# Altium PCB CRD25DA12N-FMC V2 (09-2024).PcbDoc (part 1 of 6) (continued)
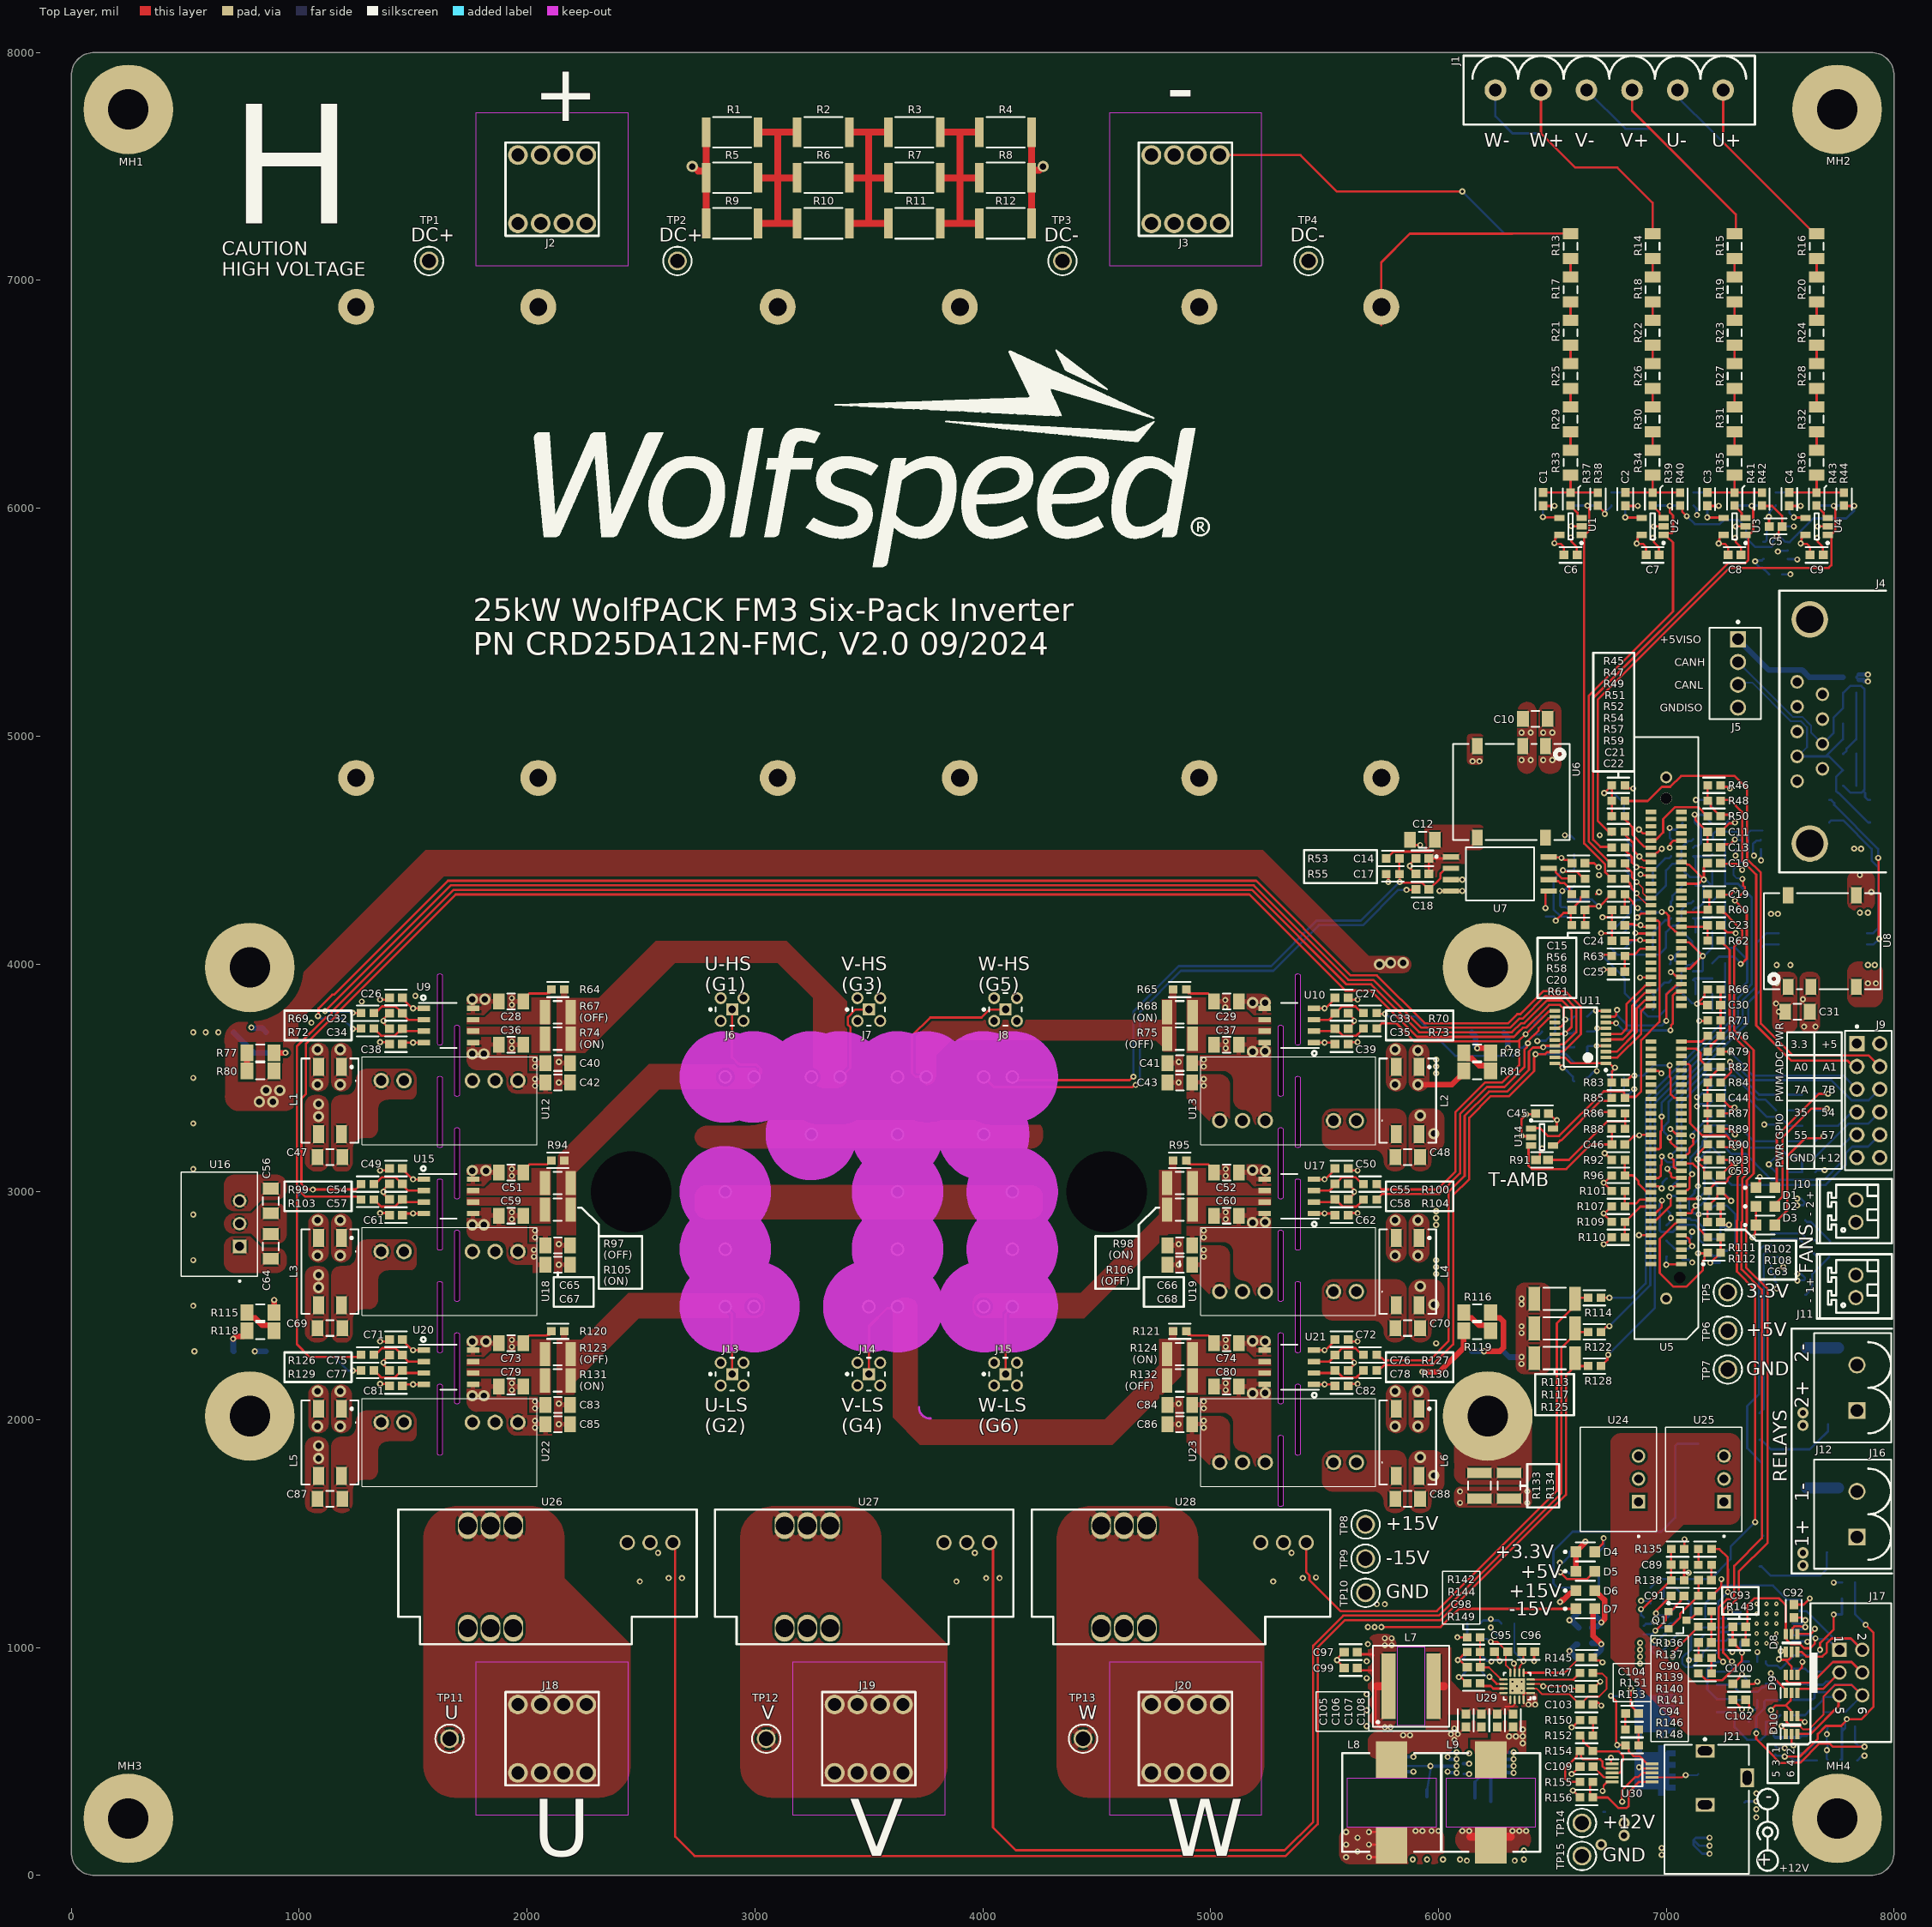
[diagram p0: Top Layer view]
## Components (designator, comment, footprint, x,y, rotation, side; value= is the part's Value field where it differs from the comment)
C1 "C0603C472K3RAC7867" FP-C0603C-CF-IPC_B 6460,6040 r270 top value=4.7nF
C2 "CL10B103KA8WPNC" FP-C0603C-CF-IPC_B 6820,6040 r270 top value=10nF
C3 "CL10B103KA8WPNC" FP-C0603C-CF-IPC_B 7180,6040 r270 top value=10nF
C4 "CL10B103KA8WPNC" FP-C0603C-CF-IPC_B 7540,6040 r270 top value=10nF
C5 "C0603C104K3RACTU" FP-C0603C-CF-IPC_B 7480,5920 r180 top value=0.10μF
C6 "C0603C104K3RACTU" FP-C0603C-CF-IPC_B 6580,5795 r0 top value=0.10μF
C7 "C0603C104K3RACTU" FP-C0603C-CF-IPC_B 6940,5795 r0 top value=0.10μF
C8 "C0603C104K3RACTU" FP-C0603C-CF-IPC_B 7300,5795 r0 top value=0.10μF
C9 "C0603C104K3RACTU" FP-C0603C-CF-IPC_B 7660,5795 r0 top value=0.10μF
C10 "CL31B106KAHSFNE" FP-CL31-IPC_B 6425,5075 r0 top value=10μF
C11 "C0603C104K3RACTU" FP-C0603C-CF-IPC_B 7210,4580 r180 top value=0.10μF
C12 "CL31B106KAHSFNE" FP-CL31-IPC_B 5930,4545 r180 top value=10μF
C13 "C0603C104K3RACTU" FP-C0603C-CF-IPC_B 7210,4511 r180 top value=0.10μF
C14 "GRT188R61H225ME13D" FP-C0603C-CF-IPC_B 5930,4463 r180 top value=2.2μF
C15 "C0603C104K3RACTU" FP-C0603C-CF-IPC_B 6615,4442 r0 top value=0.10μF
C16 "C0603C104K3RACTU" FP-C0603C-CF-IPC_B 7210,4442 r180 top value=0.10μF
C17 "C0603C104K3RACTU" FP-C0603C-CF-IPC_B 5930,4395 r180 top value=0.10μF
C18 "C0603C104K3RACTU" FP-C0603C-CF-IPC_B 5930,4327 r180 top value=0.10μF
C19 "C0603C102K5RACAUTO" FP-C0603C-CF-IPC_B 7210,4306 r0 top value=1nF
C20 "C0603C331JAGAC7867" FP-C0603C-CF-IPC_B 6615,4238 r180 top value=330pF
C21 "C0603C472K3RAC7867" FP-C0603C-CF-IPC_B 6790,4238 r180 top value=4.7nF
C22 "C0603C472K3RAC7867" FP-C0603C-CF-IPC_B 6790,4170 r180 top value=4.7nF
C23 "C0603C102K5RACAUTO" FP-C0603C-CF-IPC_B 7210,4170 r0 top value=1nF
C24 "C0603C472K3RAC7867" FP-C0603C-CF-IPC_B 6790,4102 r180 top value=4.7nF
C25 "C0603C472K3RAC7867" FP-C0603C-CF-IPC_B 6790,3966 r180 top value=4.7nF
C26 "GRT188R61H225ME13D" FP-C0603C-CF-IPC_B 1425,3852 r180 top value=2.2μF
C27 "GRT188R61H225ME13D" FP-C0603C-CF-IPC_B 5575,3852 r180 top value=2.2μF
C28 "CL31B106KAHSFNE" FP-CL31-IPC_B 1930,3835 r180 top value=10μF
C29 "CL31B106KAHSFNE" FP-CL31-IPC_B 5070,3835 r180 top value=10μF
C30 "CL10C560JB8NNNC" FP-C0603C-CF-IPC_B 7210,3820 r180 top value=56pF
C31 "CL31B106KAHSFNE" FP-CL31-IPC_B 7575.81,3790 r180 top value=10μF
C32 "CL10C560JB8NNNC" FP-C0603C-CF-IPC_B 1425,3784 r180 top value=56pF
C33 "CL10C560JB8NNNC" FP-C0603C-CF-IPC_B 5575,3784 r0 top value=56pF
C34 "CL10C560JB8NNNC" FP-C0603C-CF-IPC_B 1425,3716 r180 top value=56pF
C35 "CL10C560JB8NNNC" FP-C0603C-CF-IPC_B 5575,3716 r0 top value=56pF
C36 "CL31B106KAHSFNE" FP-CL31-IPC_B 1930,3645 r0 top value=10μF
C37 "CL31B106KAHSFNE" FP-CL31-IPC_B 5070,3645 r0 top value=10μF
C38 "GRT188R61H225ME13D" FP-C0603C-CF-IPC_B 1425,3648 r0 top value=2.2μF
C39 "GRT188R61H225ME13D" FP-C0603C-CF-IPC_B 5575,3648 r0 top value=2.2μF
C40 "CL31B106KAHSFNE" FP-CL31-IPC_B 2135,3565 r180 top value=10μF
C41 "CL31B106KAHSFNE" FP-CL31-IPC_B 4865,3565 r0 top value=10μF
C42 "CL31B106KAHSFNE" FP-CL31-IPC_B 2135,3480 r0 top value=10μF
C43 "CL31B106KAHSFNE" FP-CL31-IPC_B 4865,3480 r180 top value=10μF
C44 "CL10C560JB8NNNC" FP-C0603C-CF-IPC_B 7210,3412 r0 top value=56pF
C45 "C0603C104K3RACTU" FP-C0603C-CF-IPC_B 6455,3344 r0 top value=0.10μF
C46 "C0603C104K3RACTU" FP-C0603C-CF-IPC_B 6790,3208 r0 top value=0.10μF
C47 "CL31B106KAHSFNE" FP-CL31-IPC_B 1135,3152 r180 top value=10μF
C48 "CL31B106KAHSFNE" FP-CL31-IPC_B 5865,3152 r180 top value=10μF
C49 "GRT188R61H225ME13D" FP-C0603C-CF-IPC_B 1425,3102 r180 top value=2.2μF
C50 "GRT188R61H225ME13D" FP-C0603C-CF-IPC_B 5575,3102 r180 top value=2.2μF
C51 "CL31B106KAHSFNE" FP-CL31-IPC_B 1930,3085 r180 top value=10μF
C52 "CL31B106KAHSFNE" FP-CL31-IPC_B 5070,3085 r180 top value=10μF
C53 "CL10C560JB8NNNC" FP-C0603C-CF-IPC_B 7210,3072 r0 top value=56pF
C54 "CL10C560JB8NNNC" FP-C0603C-CF-IPC_B 1425,3034 r180 top value=56pF
C55 "CL10C560JB8NNNC" FP-C0603C-CF-IPC_B 5575,3034 r0 top value=56pF
C56 "CL31B106KAHSFNE" FP-CL31-IPC_B 875,2960 r270 top value=10μF
C57 "CL10C560JB8NNNC" FP-C0603C-CF-IPC_B 1425,2966 r180 top value=56pF
C58 "CL10C560JB8NNNC" FP-C0603C-CF-IPC_B 5575,2966 r0 top value=56pF
C59 "CL31B106KAHSFNE" FP-CL31-IPC_B 1930,2895 r0 top value=10μF
C60 "CL31B106KAHSFNE" FP-CL31-IPC_B 5070,2895 r0 top value=10μF
C61 "GRT188R61H225ME13D" FP-C0603C-CF-IPC_B 1425,2898 r0 top value=2.2μF
C62 "GRT188R61H225ME13D" FP-C0603C-CF-IPC_B 5575,2898 r0 top value=2.2μF
C63 "CL10C560JB8NNNC" FP-C0603C-CF-IPC_B 7210,2868 r0 top value=56pF
C64 "CL31B106KAHSFNE" FP-CL31-IPC_B 875,2760 r90 top value=10μF
C65 "CL31B106KAHSFNE" FP-CL31-IPC_B 2135,2765 r180 top value=10μF
C66 "CL31B106KAHSFNE" FP-CL31-IPC_B 4865,2765 r0 top value=10μF
C67 "CL31B106KAHSFNE" FP-CL31-IPC_B 2135,2680 r0 top value=10μF
C68 "CL31B106KAHSFNE" FP-CL31-IPC_B 4865,2680 r180 top value=10μF
C69 "CL31B106KAHSFNE" FP-CL31-IPC_B 1135,2402 r180 top value=10μF
C70 "CL31B106KAHSFNE" FP-CL31-IPC_B 5865,2402 r180 top value=10μF
C71 "GRT188R61H225ME13D" FP-C0603C-CF-IPC_B 1425,2352 r180 top value=2.2μF
C72 "GRT188R61H225ME13D" FP-C0603C-CF-IPC_B 5575,2352 r180 top value=2.2μF
C73 "CL31B106KAHSFNE" FP-CL31-IPC_B 1930,2335 r180 top value=10μF
C74 "CL31B106KAHSFNE" FP-CL31-IPC_B 5070,2335 r180 top value=10μF
C75 "CL10C560JB8NNNC" FP-C0603C-CF-IPC_B 1425,2284 r180 top value=56pF
C76 "CL10C560JB8NNNC" FP-C0603C-CF-IPC_B 5575,2284 r0 top value=56pF
C77 "CL10C560JB8NNNC" FP-C0603C-CF-IPC_B 1425,2216 r180 top value=56pF
C78 "CL10C560JB8NNNC" FP-C0603C-CF-IPC_B 5575,2216 r0 top value=56pF
C79 "CL31B106KAHSFNE" FP-CL31-IPC_B 1930,2145 r0 top value=10μF
C80 "CL31B106KAHSFNE" FP-CL31-IPC_B 5070,2145 r0 top value=10μF
C81 "GRT188R61H225ME13D" FP-C0603C-CF-IPC_B 1425,2148 r0 top value=2.2μF
C82 "GRT188R61H225ME13D" FP-C0603C-CF-IPC_B 5575,2148 r0 top value=2.2μF
C83 "CL31B106KAHSFNE" FP-CL31-IPC_B 2135,2065 r180 top value=10μF
C84 "CL31B106KAHSFNE" FP-CL31-IPC_B 4865,2065 r0 top value=10μF
C85 "CL31B106KAHSFNE" FP-CL31-IPC_B 2135,1980 r0 top value=10μF
C86 "CL31B106KAHSFNE" FP-CL31-IPC_B 4865,1980 r180 top value=10μF
C87 "CL31B106KAHSFNE" FP-CL31-IPC_B 1135,1652 r180 top value=10μF
C88 "CL31B106KAHSFNE" FP-CL31-IPC_B 5865,1652 r180 top value=10μF
C89 "C0603C104K3RACTU" FP-C0603C-CF-IPC_B 7050,1363 r0 top value=0.10μF
C90 "CL10B103KA8WPNC" FP-C0603C-CF-IPC_B 7170,1295 r180 top value=10nF
C91 "C0603C102K5RACAUTO" FP-C0603C-CF-IPC_B 7050,1227 r180 top value=1nF
C92 "C0603C104K3RACTU" FP-C0603C-CF-IPC_B 7560,1160 r90 top value=0.10μF
C93 "06035A180JAT2A" FP-C0603C-CF-IPC_B 7320,1091 r0 top value=18pF
C94 "CL10B103KA8WPNC" FP-C0603C-CF-IPC_B 7170,1022 r0 top value=10nF
C95 "GCM1885C2A221JA16D" FP-C0603C-CF-IPC_B 6275,981 r180 top value=220pF
C96 "CL10C101JB8NNNC" FP-C0603C-CF-IPC_B 6395,981 r0 top value=100pF
C97 "GCM188R72A103KA37D" FP-C0603C-CF-IPC_B 5615,980 r180 top value=10nF
C98 "CGA3E2X7R1H683K080AA" FP-C0603C-CF-IPC_B 6155,913 r0 top value=68nF
C99 "C0603C102K5RACAUTO" FP-C0603C-CF-IPC_B 5615,910 r180 top value=1nF
C100 "C0603C104K3RACTU" FP-C0603C-CF-IPC_B 7320,840 r0 top value=0.10μF
C101 "GCM188R72A103KA37D" FP-C0603C-CF-IPC_B 6650,819 r0 top value=10nF
C102 "C0603C104K3RACTU" FP-C0603C-CF-IPC_B 7320,771 r0 top value=0.10μF
C103 "CGA3E1X7R1V105K080AC" FP-C0603C-CF-IPC_B 6650,750 r0 top value=1μF
C104 "C0603C472K3RAC7867" FP-C0603C-CF-IPC_B 6850,710 r0 top value=4.7nF
C105 "GRM188R6YA106MA73D" FP-C0603C-CF-IPC_B 6120,680 r270 top value=10μF
C106 "GRM188R6YA106MA73D" FP-C0603C-CF-IPC_B 6189,680 r270 top value=10μF
C107 "GRM188R6YA106MA73D" FP-C0603C-CF-IPC_B 6258,680 r270 top value=10μF
C108 "GRM188R6YA106MA73D" FP-C0603C-CF-IPC_B 6327,680 r270 top value=10μF
C109 "CL10C560JB8NNNC" FP-C0603C-CF-IPC_B 6650,478 r180 top value=56pF
C110 "C4AQQEW5650A3BJ" C4AQQEW5650A3BJ 3500,5850 r90 bottom value=65µF
C111 "C4AQQEW5650A3BJ" C4AQQEW5650A3BJ 5350,5850 r270 bottom value=65µF
C112 "C4AQQEW5650A3BJ" C4AQQEW5650A3BJ 1650,5850 r270 bottom value=65µF
C113 "CL10B103KA8WPNC" FP-C0603C-CF-IPC_B 7660,6040 r270 bottom value=10nF
C114 "CL10B103KA8WPNC" FP-C0603C-CF-IPC_B 7300,6040 r270 bottom value=10nF
C115 "CL10B103KA8WPNC" FP-C0603C-CF-IPC_B 6940,6040 r270 bottom value=10nF
C116 "C0603C472K3RAC7867" FP-C0603C-CF-IPC_B 6580,6040 r270 bottom value=4.7nF
C117 "C0603C104K3RACTU" FP-C0603C-CF-IPC_B 7480,5920 r0 bottom value=0.10μF
C118 "C0603C104K3RACTU" FP-C0603C-CF-IPC_B 7480,5710 r0 bottom value=0.10μF
C119 "C0603C472K3RAC7867" FP-C0603C-CF-IPC_B 7805,4918 r0 bottom value=4.7nF
C120 "06035A180JAT2A" FP-C0603C-CF-IPC_B 7805,4850 r180 bottom value=18pF
C121 "06035A180JAT2A" FP-C0603C-CF-IPC_B 7805,4782 r0 bottom value=18pF
C122 "CL10C560JB8NNNC" FP-C0603C-CF-IPC_B 7230,4616 r180 bottom value=56pF
C123 "C0603C104K3RACTU" FP-C0603C-CF-IPC_B 7100,4616 r0 bottom value=0.10μF
C124 "CL10C560JB8NNNC" FP-C0603C-CF-IPC_B 6785,4615 r180 bottom value=56pF
C125 "GCM188R71C274KA37D" FP-GCM188-0_1-IPC_A 6785,4548 r180 bottom value=0.27μF
C126 "GRT188R61H225ME13D" FP-C0603C-CF-IPC_B 6625,4548 r0 bottom value=2.2μF
C127 "GCM188R71C274KA37D" FP-GCM188-0_1-IPC_A 6785,4480 r180 bottom value=0.27μF
C128 "CL31B106KAHSFNE" FP-CL31-IPC_B 7850,4395 r90 bottom value=10μF
C129 "GCM188R71C274KA37D" FP-GCM188-0_1-IPC_A 6785,4411 r180 bottom value=0.27μF
C130 "C0603C472K3RAC7867" FP-C0603C-CF-IPC_B 7230,4411 r180 bottom value=4.7nF
C131 "CL10C101JB8NNNC" FP-C0603C-CF-IPC_B 7100,4411 r180 bottom value=100pF
C132 "CL10C101JB8NNNC" FP-C0603C-CF-IPC_B 6970,4411 r0 bottom value=100pF
C133 "C0603C331JAGAC7867" FP-C0603C-CF-IPC_B 6625,4411 r180 bottom value=330pF
C134 "GCM188R71C274KA37D" FP-GCM188-0_1-IPC_A 6785,4343 r180 bottom value=0.27μF
C135 "C0603C104K3RACTU" FP-C0603C-CF-IPC_B 7100,4343 r0 bottom value=0.10μF
C136 "C0603C104K3RACTU" FP-C0603C-CF-IPC_B 6625,4343 r0 bottom value=0.10μF
C137 "C0603C472K3RAC7867" FP-C0603C-CF-IPC_B 7230,4139 r180 bottom value=4.7nF
C138 "CL10C101JB8NNNC" FP-C0603C-CF-IPC_B 7100,4139 r180 bottom value=100pF
C139 "CL10C101JB8NNNC" FP-C0603C-CF-IPC_B 6970,4139 r0 bottom value=100pF
C140 "C0603C104K3RACTU" FP-C0603C-CF-IPC_B 7100,4070 r0 bottom value=0.10μF
C141 "C0603C104K3RACTU" FP-C0603C-CF-IPC_B 7885,3868 r0 bottom value=0.10μF
C142 "C0603C104K3RACTU" FP-C0603C-CF-IPC_B 7535,3868 r180 bottom value=0.10μF
C143 "C0603C472K3RAC7867" FP-C0603C-CF-IPC_B 7230,3868 r180 bottom value=4.7nF
C144 "CL10C101JB8NNNC" FP-C0603C-CF-IPC_B 7100,3868 r180 bottom value=100pF
C145 "CL10C101JB8NNNC" FP-C0603C-CF-IPC_B 6970,3868 r0 bottom value=100pF
C146 "CL10C560JB8NNNC" FP-C0603C-CF-IPC_B 6785,3500 r0 bottom value=56pF
C147 "GRT188R61H225ME13D" FP-C0603C-CF-IPC_B 6625,3500 r0 bottom value=2.2μF
C148 "CL10C560JB8NNNC" FP-C0603C-CF-IPC_B 7231.42,3465 r180 bottom value=56pF
C149 "CL10C560JB8NNNC" FP-C0603C-CF-IPC_B 7510,3154 r180 bottom value=56pF
C150 "C0603C104K3RACTU" FP-C0603C-CF-IPC_B 7030,3058 r180 bottom value=0.10μF
C151 "C0603C104K3RACTU" FP-C0603C-CF-IPC_B 7030,2785 r0 bottom value=0.10μF
C152 "C0603C104K3RACTU" FP-C0603C-CF-IPC_B 7030,2716 r0 bottom value=0.10μF
C153 "GRT188R61H225ME13D" FP-C0603C-CF-IPC_B 7490,2625 r0 bottom value=2.2μF
C154 "CL31B106KAHSFNE" FP-CL31-IPC_B 7140,1840 r270 bottom value=10μF
C155 "CL31B106KAHSFNE" FP-CL31-IPC_B 6765,1840 r270 bottom value=10μF
C156 "CL31B106KAHSFNE" FP-CL31-IPC_B 7140,1640 r90 bottom value=10μF
C157 "CL31B106KAHSFNE" FP-CL31-IPC_B 6765,1640 r90 bottom value=10μF
C158 "CL31B475KBHNFNE" FP-CL31-IPC_C 5380,1360 r0 bottom value=4.7μF
C159 "CL31B475KBHNFNE" FP-CL31-IPC_C 3990,1360 r0 bottom value=4.7μF
C160 "CL31B475KBHNFNE" FP-CL31-IPC_C 2600,1360 r0 bottom value=4.7μF
C161 "C0603C104K3RACTU" FP-C0603C-CF-IPC_B 7800,1285 r180 bottom value=0.10μF
C162 "CL31B475KBHNFNE" FP-CL31-IPC_C 5380,1250 r180 bottom value=4.7μF
C163 "CL31B475KBHNFNE" FP-CL31-IPC_C 3990,1250 r180 bottom value=4.7μF
C164 "CL31B475KBHNFNE" FP-CL31-IPC_C 2600,1250 r180 bottom value=4.7μF
C165 "C0603C331JAGAC7867" FP-C0603C-CF-IPC_B 7800,1215 r180 bottom value=330pF
C166 "C0603C472K3RAC7867" FP-C0603C-CF-IPC_B 6960,1194 r180 bottom value=4.7nF
C167 "06035A180JAT2A" FP-C0603C-CF-IPC_B 7200,1126 r180 bottom value=18pF
C168 "CGA3E2X7R1H473K080AA" FP-C0603C-CF-IPC_B 6155,1038 r180 bottom value=47nF
C169 "C0603C104K3RACTU" FP-C0603C-CF-IPC_B 7200,990 r0 bottom value=0.10μF
C170 "C0603C104K3RACTU" FP-C0603C-CF-IPC_B 6960,990 r0 bottom value=0.10μF
C171 "GCM188R71E224KA55D" FP-C0603C-CF-IPC_B 6155,900 r180 bottom value=220nF
C172 "CGA3E2X7R1H104K080AA" FP-C0603C-CF-IPC_B 5755,900 r180 bottom value=100nF
C173 "C0603C470J1GACTU" FP-C0603C-CF-IPC_B 7620,865 r90 bottom value=47pF
C174 "C0603C331JAGAC7867" FP-C0603C-CF-IPC_B 7290,865 r90 bottom value=330pF
C175 "GRM188R6YA106MA73D" FP-C0603C-CF-IPC_B 5755,830 r180 bottom value=10μF
C176 "C0603C470J1GACTU" FP-C0603C-CF-IPC_B 7620,745 r90 bottom value=47pF
C177 "C0603C331JAGAC7867" FP-C0603C-CF-IPC_B 7290,745 r90 bottom value=330pF
C178 "GRM188R6YA106MA73D" FP-C0603C-CF-IPC_B 5755,760 r180 bottom value=10μF
C179 "GRM188R6YA106MA73D" FP-C0603C-CF-IPC_B 5755,690 r180 bottom value=10μF
C180 "C0603C104K3RACTU" FP-C0603C-CF-IPC_B 7680,652 r0 bottom value=0.10μF
C181 "C0603C331JAGAC7867" FP-C0603C-CF-IPC_B 7800,583 r0 bottom value=330pF
C182 "C0603C104K3RACTU" FP-C0603C-CF-IPC_B 7680,583 r0 bottom value=0.10μF
C183 "C0603C104K3RACTU" FP-C0603C-CF-IPC_B 7800,513 r0 bottom value=0.10μF
C184 "C0603C104K3RACTU" FP-C0603C-CF-IPC_B 7680,513 r0 bottom value=0.10μF
C185 "C0603C681J5GACTU" FP-C0603C-CF-IPC_B 6405,300 r90 bottom value=680pF
C186 "GRM188R6YA106MA73D" FP-C0603C-CF-IPC_B 6335,300 r270 bottom value=10μF
C187 "GRM188R6YA106MA73D" FP-C0603C-CF-IPC_B 6265,300 r270 bottom value=10μF
C188 "CGA3E1X7R1V105K080AC" FP-C0603C-CF-IPC_B 6195,300 r270 bottom value=1μF
C189 "CGA3E2X7R1H104K080AA" FP-C0603C-CF-IPC_B 6125,300 r270 bottom value=100nF
C190 "CGA3E2X7R1H104K080AA" FP-C0603C-CF-IPC_B 6055,300 r90 bottom value=100nF
C191 "CGA3E1X7R1V105K080AC" FP-C0603C-CF-IPC_B 5985,300 r90 bottom value=1μF
C192 "GRM188R6YA106MA73D" FP-C0603C-CF-IPC_B 5915,300 r90 bottom value=10μF
C193 "GRM188R6YA106MA73D" FP-C0603C-CF-IPC_B 5845,300 r90 bottom value=10μF
C194 "C0603C681J5GACTU" FP-C0603C-CF-IPC_B 5775,300 r90 bottom value=680pF
C195 "GRM188R6YA106MA73D" FP-C0603C-CF-IPC_B 6335,130 r90 bottom value=10μF
C196 "GRM188R6YA106MA73D" FP-C0603C-CF-IPC_B 6265,130 r90 bottom value=10μF
C197 "GRM188R6YA106MA73D" FP-C0603C-CF-IPC_B 6195,130 r90 bottom value=10μF
C198 "GRM188R6YA106MA73D" FP-C0603C-CF-IPC_B 6125,130 r90 bottom value=10μF
C199 "GRM188R6YA106MA73D" FP-C0603C-CF-IPC_B 6055,130 r270 bottom value=10μF
C200 "GRM188R6YA106MA73D" FP-C0603C-CF-IPC_B 5985,130 r270 bottom value=10μF
C201 "GRM188R6YA106MA73D" FP-C0603C-CF-IPC_B 5915,130 r270 bottom value=10μF
C202 "GRM188R6YA106MA73D" FP-C0603C-CF-IPC_B 5845,130 r270 bottom value=10μF
C203 "CL31B106KAHSFNE" FP-CL31-IPC_B 6850,105 r0 bottom value=10μF
D1 "CMD17-21VRD/TR8" FP-LTST-C171GKT-MFG-RED 7435,3018 r0 top value=RED
D2 "LTST-C171KSKT" FP-LTST-C171GKT-MFG-YELLOW 7435,2936 r0 top value=YELLOW
D3 "LTST-C171GKT" FP-LTST-C171GKT-MFG 7435,2854 r0 top value=GREEN
D4 "LTST-C171GKT" FP-LTST-C171GKT-MFG 6645,1420 r0 top value=GREEN
D5 "LTST-C171GKT" FP-LTST-C171GKT-MFG 6645,1335 r0 top value=GREEN
D6 "LTST-C171GKT" FP-LTST-C171GKT-MFG 6645,1250 r0 top value=GREEN
D7 "LTST-C171GKT" FP-LTST-C171GKT-MFG 6645,1170 r0 top value=GREEN
D8 "BAS40DW-04-TP" SOT65P222X120-6N 7550,1020 r90 top value=N/A
D9 "BAS40DW-04-TP" SOT65P222X120-6N 7550,840 r90 top value=N/A
D10 "BAS40DW-04-TP" SOT65P222X120-6N 7550,660 r90 top value=N/A
D11 "APTR3216-VFX" FP-APTR3216SECK-MFG 6216.53,3700 r180 bottom value=PURPLE
D12 "APTR3216-VFX" FP-APTR3216SECK-MFG 783.47,3700 r180 bottom value=PURPLE
D13 "SMD26PL-TP" ONSC-SOD-123FL-2-498-01_V 7750,2915 r270 bottom value=N/A
D14 "SMD26PL-TP" ONSC-SOD-123FL-2-498-01_V 7750,2585 r270 bottom value=N/A
D15 "APTR3216-VFX" FP-APTR3216SECK-MFG 6216.53,2300 r180 bottom value=PURPLE
D16 "APTR3216-VFX" FP-APTR3216SECK-MFG 783.47,2300 r180 bottom value=PURPLE
D17 "SMD26PL-TP" ONSC-SOD-123FL-2-498-01_V 7865,1940 r0 bottom value=N/A
D18 "SMD26PL-TP" ONSC-SOD-123FL-2-498-01_V 7865,1385 r0 bottom value=N/A
D19 "PMEG060V100EPE-QZ" FP-PSMC_TO-277A-MFG 6215,505 r0 bottom value=N/A
D20 "PMEG060V100EPE-QZ" FP-PSMC_TO-277A-MFG 5965,505 r0 bottom value=N/A
HS1 "LA6/150 12V" "LA 6 150 12" 3500,3000 r180 bottom locked value=N/A
J1 "1755778" 1755778 6750,7835 r180 top value=N/A
J2 "7460307" 7460307 2110,7400 r0 top value=N/A
J3 "7460307" 7460307 4890,7400 r0 top value=N/A
J4 "L717SDE09PA4CH4RC309" L717SDE09PA4CH4RC309 7630,5020 r90 top locked value=N/A
J5 "640456-4" TECO-640456-4 7315,5275 r90 top value=N/A
J6 "0734151471" FP-73415-1471-MFG 2900,3800 r0 top value=N/A
J7 "0734151471" FP-73415-1471-MFG 3500,3800 r0 top value=N/A
J8 "0734151471" FP-73415-1471-MFG 4100,3800 r0 top value=N/A
J9 "61301221121" FP-61301221121-MFG 7887,3400 r270 top value=N/A
J10 "1881558" CONN_1881558 7832,2915 r90 top value=N/A
J11 "1881558" CONN_1881558 7832,2585 r90 top value=N/A
J12 "1755736" 1755736 7837,2140 r90 top value=N/A
J13 "0734151471" FP-73415-1471-MFG 2900,2200 r0 top value=N/A
J14 "0734151471" FP-73415-1471-MFG 3500,2200 r0 top value=N/A
J15 "0734151471" FP-73415-1471-MFG 4100,2200 r0 top value=N/A
J16 "1755736" 1755736 7837,1585 r90 top value=N/A
J17 "61200621621" 61200621621 7810,890 r270 top value=N/A
J18 "7460307" 7460307 2110,600 r0 top value=N/A
J19 "7460307" 7460307 3500,600 r0 top value=N/A
J20 "7460307" 7460307 4890,600 r0 top value=N/A
J21 "PJ-102AH" CUI-PJ-102B_V 7170,428.11 r270 top value=N/A
J22 "1808190" 1808190 7295,155 r180 bottom value=N/A
L1 "744226S" WE-SL2 1135,3400 r270 top value=10μH
L2 "744226S" WE-SL2 5865,3400 r270 top value=10μH
L3 "744226S" WE-SL2 1135,2650 r270 top value=10μH
L4 "744226S" WE-SL2 5865,2650 r270 top value=10μH
L5 "744226S" WE-SL2 1135,1900 r270 top value=10μH
L6 "744226S" WE-SL2 5865,1900 r270 top value=10μH
L7 "74439358100" WE-XHMI_8080_L8.8W8.3H7.8 5880,830 r90 top value=10μH
L8 "74437368220" 74437368220 5795,320 r270 top value=22µH
L9 "74437368220" 74437368220 6230,320 r90 top value=22µH
L10 "DLW43SH101XK2L" FP-DLW43-0_2-t2_6-e0_6-MFG 7805,4670 r0 bottom value=100µH
MH1 "MH_M4_P" MH_M4_P 250,7750 r0 top locked value=N/A
MH2 "MH_M4_P" MH_M4_P 7750,7750 r0 top locked value=N/A
MH3 "MH_M4_P" MH_M4_P 250,250 r0 top locked value=N/A
MH4 "MH_M4_P" MH_M4_P 7750,250 r0 top locked value=N/A
Q1 "BC817-16LT3G" ONSC-SOT-23-3-318-08_V 7050,1120 r0 top value=N/A
Q2 "CCB021M12FM3T" FM3_SIX-PACK_3PHASE_CRW 3500,3000 r0 bottom locked value=N/A
Q3 "DMN6140L-13" FP-SOT23-MFG 7650,2915 r0 bottom value=N/A
Q4 "DMN6140L-13" FP-SOT23-MFG 7650,2585 r0 bottom value=N/A
Q5 "MJD44H11T4G" ONSC-DPAK-3-369C-01_V 7615,2145 r90 bottom value=N/A
Q6 "MJD44H11T4G" ONSC-DPAK-3-369C-01_V 7615,1590 r90 bottom value=N/A
Q7 "DMT12H007LPS-13" FP-PowerDI5060-8-MFG 6910,710 r90 bottom value=N/A
Q8 "DMT12H007LPS-13" FP-PowerDI5060-8-MFG 6910,460 r90 bottom value=N/A
R1 "CRGP2512F220K" FP-CRGP2512-IPC_C 2900,7650 r180 top value=220kΩ
R2 "CRGP2512F220K" FP-CRGP2512-IPC_C 3300,7650 r180 top value=220kΩ
R3 "CRGP2512F220K" FP-CRGP2512-IPC_C 3700,7650 r180 top value=220kΩ
R4 "CRGP2512F220K" FP-CRGP2512-IPC_C 4100,7650 r180 top value=220kΩ
R5 "CRGP2512F220K" FP-CRGP2512-IPC_C 2900,7450 r180 top value=220kΩ
R6 "CRGP2512F220K" FP-CRGP2512-IPC_C 3300,7450 r180 top value=220kΩ
R7 "CRGP2512F220K" FP-CRGP2512-IPC_C 3700,7450 r180 top value=220kΩ
R8 "CRGP2512F220K" FP-CRGP2512-IPC_C 4100,7450 r180 top value=220kΩ
R9 "CRGP2512F220K" FP-CRGP2512-IPC_C 2900,7250 r180 top value=220kΩ
R10 "CRGP2512F220K" FP-CRGP2512-IPC_C 3300,7250 r180 top value=220kΩ
R11 "CRGP2512F220K" FP-CRGP2512-IPC_C 3700,7250 r180 top value=220kΩ
R12 "CRGP2512F220K" FP-CRGP2512-IPC_C 4100,7250 r180 top value=220kΩ
R13 "TNPW1206249KBEEA" RESC3216X65X50NL15T25 6580,7150 r270 top value=249kΩ
R14 "TNPW1206249KBEEA" RESC3216X65X50NL15T25 6940,7150 r270 top value=249kΩ
R15 "TNPW1206249KBEEA" RESC3216X65X50NL15T25 7300,7150 r270 top value=249kΩ
R16 "TNPW1206249KBEEA" RESC3216X65X50NL15T25 7660,7150 r270 top value=249kΩ
R17 "TNPW1206249KBEEA" RESC3216X65X50NL15T25 6580,6960 r270 top value=249kΩ
R18 "TNPW1206249KBEEA" RESC3216X65X50NL15T25 6940,6960 r270 top value=249kΩ
R19 "TNPW1206249KBEEA" RESC3216X65X50NL15T25 7300,6960 r270 top value=249kΩ
R20 "TNPW1206249KBEEA" RESC3216X65X50NL15T25 7660,6960 r270 top value=249kΩ
R21 "TNPW1206249KBEEA" RESC3216X65X50NL15T25 6580,6770 r270 top value=249kΩ
R22 "TNPW1206249KBEEA" RESC3216X65X50NL15T25 6940,6770 r270 top value=249kΩ
R23 "TNPW1206249KBEEA" RESC3216X65X50NL15T25 7300,6770 r270 top value=249kΩ
R24 "TNPW1206249KBEEA" RESC3216X65X50NL15T25 7660,6770 r270 top value=249kΩ
R25 "TNPW1206249KBEEA" RESC3216X65X50NL15T25 6580,6580 r270 top value=249kΩ
R26 "TNPW1206249KBEEA" RESC3216X65X50NL15T25 6940,6580 r270 top value=249kΩ
R27 "TNPW1206249KBEEA" RESC3216X65X50NL15T25 7300,6580 r270 top value=249kΩ
R28 "TNPW1206249KBEEA" RESC3216X65X50NL15T25 7660,6580 r270 top value=249kΩ
R29 "TNPW1206249KBEEA" RESC3216X65X50NL15T25 6580,6390 r270 top value=249kΩ
R30 "TNPW1206249KBEEA" RESC3216X65X50NL15T25 6940,6390 r270 top value=249kΩ
R31 "TNPW1206249KBEEA" RESC3216X65X50NL15T25 7300,6390 r270 top value=249kΩ
R32 "TNPW1206249KBEEA" RESC3216X65X50NL15T25 7660,6390 r270 top value=249kΩ
R33 "TNPW1206249KBEEA" RESC3216X65X50NL15T25 6580,6200 r270 top value=249kΩ
R34 "TNPW1206249KBEEA" RESC3216X65X50NL15T25 6940,6200 r270 top value=249kΩ
R35 "TNPW1206249KBEEA" RESC3216X65X50NL15T25 7300,6200 r270 top value=249kΩ
R36 "TNPW1206249KBEEA" RESC3216X65X50NL15T25 7660,6200 r270 top value=249kΩ
R37 "RC0603FR-074K99L" FP-MCR03-IPC_B 6580,6040 r270 top value=4.99kΩ
R38 "ERJ-PB3B3741V" FP-MCR03-IPC_B 6700,6040 r90 top value=3.74kΩ
R39 "RC0603FR-074K99L" FP-MCR03-IPC_B 6940,6040 r270 top value=4.99kΩ
R40 "CRCW06034K70FKTA" FP-MCR03-IPC_B 7060,6040 r270 top value=4.7kΩ
R41 "RC0603FR-074K99L" FP-MCR03-IPC_B 7300,6040 r270 top value=4.99kΩ
R42 "CRCW06034K70FKTA" FP-MCR03-IPC_B 7420,6040 r270 top value=4.7kΩ
R43 "RC0603FR-074K99L" FP-MCR03-IPC_B 7660,6040 r270 top value=4.99kΩ
R44 "CRCW06034K70FKTA" FP-MCR03-IPC_B 7780,6040 r270 top value=4.7kΩ
R45 "ERJ3EKF1002V" FP-MCR03-IPC_B 6790,4784 r0 top value=10kΩ
R46 "ERJ3EKF1002V" FP-MCR03-IPC_B 7210,4784 r180 top value=10kΩ
R47 "CRCW06030000Z0EB" FP-MCR03-IPC_B 6790,4716 r180 top value=0Ω
R48 "CRCW06030000Z0EB" FP-MCR03-IPC_B 7210,4716 r180 top value=0Ω
R49 "CRCW06030000Z0EB" FP-MCR03-IPC_B 6790,4648 r0 top value=0Ω
R50 "CRCW06030000Z0EB" FP-MCR03-IPC_B 7210,4648 r180 top value=0Ω
R51 "ERJ-3EKF49R9V" FP-MCR03-IPC_B 6790,4580 r0 top value=49.9Ω
R52 "ERJ-3EKF49R9V" FP-MCR03-IPC_B 6790,4511 r0 top value=49.9Ω
R53 "RC0603FR-072K2L" FP-MCR03-IPC_B 5800,4463 r180 top value=2.2kΩ
R54 "ERJ-3EKF49R9V" FP-MCR03-IPC_B 6790,4442 r0 top value=49.9Ω
R55 "ERJ-PB3B1801V" FP-MCR03-IPC_B 5800,4395 r0 top value=1.8kΩ
R56 "ERA3AEB4021V" FP-MCR03-IPC_B 6615,4374 r180 top value=4.02kΩ
R57 "ERJ-3EKF49R9V" FP-MCR03-IPC_B 6790,4374 r0 top value=49.9Ω
R58 "ERA3AEB4021V" FP-MCR03-IPC_B 6615,4306 r180 top value=4.02kΩ
R59 "ERJ-3EKF49R9V" FP-MCR03-IPC_B 6790,4306 r0 top value=49.9Ω
R60 "RT0603DRE072KL" FP-MCR03-IPC_B 7210,4238 r180 top value=2kΩ
R61 "ERA3AEB4021V" FP-MCR03-IPC_B 6615,4170 r180 top value=4.02kΩ
R62 "RT0603DRE072KL" FP-MCR03-IPC_B 7210,4102 r180 top value=2kΩ
R63 "ERJ-3EKF49R9V" FP-MCR03-IPC_B 6790,4034 r0 top value=49.9Ω
R64 "ERJ3EKF1002V" FP-MCR03-IPC_B 2135,3888 r0 top value=10kΩ
R65 "ERJ3EKF1002V" FP-MCR03-IPC_B 4865,3888 r180 top value=10kΩ
R66 "ERJ3EKF1002V" FP-MCR03-IPC_B 7210,3888 r0 top value=10kΩ
R67 "CRCW12100000Z0EAHP" RESC3125X70X40NL20T20 2135,3788 r0 top value=0Ω
R68 "RCWE1210R910FKEA" RESC3125X70X40NL20T20 4865,3788 r180 top value=0.91Ω
R69 "ERJ-3EKF49R9V" FP-MCR03-IPC_B 1300,3784 r0 top value=49.9Ω
R70 "ERJ-3EKF49R9V" FP-MCR03-IPC_B 5700,3784 r180 top value=49.9Ω
R71 "ERJ3EKF1002V" FP-MCR03-IPC_B 7210,3752 r180 top value=10kΩ
R72 "ERJ-3EKF49R9V" FP-MCR03-IPC_B 1300,3716 r0 top value=49.9Ω
R73 "ERJ-3EKF49R9V" FP-MCR03-IPC_B 5700,3716 r180 top value=49.9Ω
R74 "RCWE1210R910FKEA" RESC3125X70X40NL20T20 2135,3672 r0 top value=0.91Ω
R75 "CRCW12100000Z0EAHP" RESC3125X70X40NL20T20 4865,3672 r180 top value=0Ω
R76 "CRCW06030000Z0EB" FP-MCR03-IPC_B 7210,3684 r180 top value=0Ω
R77 "RC1206FR-07249RL" FP-MCR18-IPC_A 830,3610 r0 top value=249Ω
R78 "RC1206FR-07249RL" FP-MCR18-IPC_A 6170,3610 r0 top value=249Ω
R79 "CRCW06030000Z0EB" FP-MCR03-IPC_B 7210,3616 r180 top value=0Ω
R80 "RC1206FR-07249RL" FP-MCR18-IPC_A 830,3530 r180 top value=249Ω
R81 "RC1206FR-07249RL" FP-MCR18-IPC_A 6170,3530 r0 top value=249Ω
R82 "CRCW06030000Z0EB" FP-MCR03-IPC_B 7210,3548 r180 top value=0Ω
R83 "ERJ-3EKF49R9V" FP-MCR03-IPC_B 6790,3480 r180 top value=49.9Ω
R84 "CRCW06030000Z0EB" FP-MCR03-IPC_B 7210,3480 r180 top value=0Ω
R85 "CRCW06030000Z0EB" FP-MCR03-IPC_B 6790,3412 r180 top value=0Ω
R86 "RC0603FR-075K49L" FP-MCR03-IPC_B 6790,3344 r180 top value=5.49kΩ
R87 "ERJ3EKF1002V" FP-MCR03-IPC_B 7210,3344 r180 top value=10kΩ
R88 "RC0603FR-13330RL" FP-MCR03-IPC_B 6790,3276 r180 top value=330Ω
R89 "ERJ3EKF1002V" FP-MCR03-IPC_B 7210,3276 r0 top value=10kΩ
R90 "ERJ3EKF1002V" FP-MCR03-IPC_B 7210,3208 r0 top value=10kΩ
R91 "NCU18XH103F6SRB" FP-NCU18-0_15-IPC_B 6455,3140 r180 top value="10kΩ @25C"
R92 "CRCW060320K0FKTA" FP-MCR03-IPC_B 6790,3140 r180 top value=20kΩ
R93 "ERJ3EKF1002V" FP-MCR03-IPC_B 7210,3140 r180 top value=10kΩ
R94 "ERJ3EKF1002V" FP-MCR03-IPC_B 2135,3138 r0 top value=10kΩ
R95 "ERJ3EKF1002V" FP-MCR03-IPC_B 4865,3138 r180 top value=10kΩ
R96 "CRCW060320K0FKTA" FP-MCR03-IPC_B 6790,3072 r0 top value=20kΩ
R97 "CRCW12100000Z0EAHP" RESC3125X70X40NL20T20 2135,3038 r0 top value=0Ω
R98 "RCWE1210R910FKEA" RESC3125X70X40NL20T20 4865,3038 r180 top value=0.91Ω
R99 "ERJ-3EKF49R9V" FP-MCR03-IPC_B 1300,3034 r0 top value=49.9Ω
R100 "ERJ-3EKF49R9V" FP-MCR03-IPC_B 5700,3034 r180 top value=49.9Ω
R101 "CRCW060320K0FKTA" FP-MCR03-IPC_B 6790,3004 r0 top value=20kΩ
R102 "ERJ3EKF1002V" FP-MCR03-IPC_B 7210,3004 r180 top value=10kΩ
R103 "ERJ-3EKF49R9V" FP-MCR03-IPC_B 1300,2966 r0 top value=49.9Ω
R104 "ERJ-3EKF49R9V" FP-MCR03-IPC_B 5700,2966 r180 top value=49.9Ω
R105 "RCWE1210R910FKEA" RESC3125X70X40NL20T20 2135,2922 r0 top value=0.91Ω
R106 "CRCW12100000Z0EAHP" RESC3125X70X40NL20T20 4865,2922 r180 top value=0Ω
R107 "CRCW060320K0FKTA" FP-MCR03-IPC_B 6790,2936 r180 top value=20kΩ
R108 "ERJ3EKF1002V" FP-MCR03-IPC_B 7210,2936 r180 top value=10kΩ
R109 "CRCW060320K0FKTA" FP-MCR03-IPC_B 6790,2868 r180 top value=20kΩ
R110 "CRCW060320K0FKTA" FP-MCR03-IPC_B 6790,2800 r0 top value=20kΩ
R111 "CRCW060320K0FKTA" FP-MCR03-IPC_B 7210,2800 r180 top value=20kΩ
R112 "CRCW060320K0FKTA" FP-MCR03-IPC_B 7210,2732 r180 top value=20kΩ
R113 "CRCW2010165RFKEF" FP-CRCW2010-e3-IPC_B 6510,2530 r0 top value=165Ω
R114 "RT0603DRE072KL" FP-MCR03-IPC_B 6685,2535 r0 top value=2kΩ
R115 "RC1206FR-07249RL" FP-MCR18-IPC_A 830,2470 r180 top value=249Ω
R116 "RC1206FR-07249RL" FP-MCR18-IPC_A 6170,2470 r0 top value=249Ω
R117 "CRCW2010165RFKEF" FP-CRCW2010-e3-IPC_B 6510,2400 r0 top value=165Ω
R118 "RC1206FR-07249RL" FP-MCR18-IPC_A 830,2390 r180 top value=249Ω
R119 "RC1206FR-07249RL" FP-MCR18-IPC_A 6170,2390 r0 top value=249Ω
R120 "ERJ3EKF1002V" FP-MCR03-IPC_B 2135,2388 r0 top value=10kΩ
R121 "ERJ3EKF1002V" FP-MCR03-IPC_B 4865,2388 r180 top value=10kΩ
R122 "RT0603DRE072KL" FP-MCR03-IPC_B 6685,2385 r0 top value=2kΩ
R123 "CRCW12100000Z0EAHP" RESC3125X70X40NL20T20 2135,2288 r0 top value=0Ω
R124 "RCWE1210R910FKEA" RESC3125X70X40NL20T20 4865,2288 r180 top value=0.91Ω
R125 "CRCW2010165RFKEF" FP-CRCW2010-e3-IPC_B 6510,2270 r0 top value=165Ω
R126 "ERJ-3EKF49R9V" FP-MCR03-IPC_B 1300,2284 r0 top value=49.9Ω
R127 "ERJ-3EKF49R9V" FP-MCR03-IPC_B 5700,2284 r180 top value=49.9Ω
R128 "RT0603DRE072KL" FP-MCR03-IPC_B 6685,2235 r0 top value=2kΩ
R129 "ERJ-3EKF49R9V" FP-MCR03-IPC_B 1300,2216 r0 top value=49.9Ω
R130 "ERJ-3EKF49R9V" FP-MCR03-IPC_B 5700,2216 r180 top value=49.9Ω
R131 "RCWE1210R910FKEA" RESC3125X70X40NL20T20 2135,2172 r0 top value=0.91Ω
R132 "CRCW12100000Z0EAHP" RESC3125X70X40NL20T20 4865,2172 r180 top value=0Ω
R133 "CRCW12100000Z0EAHP" RESC3125X70X40NL20T20 6180,1710 r90 top value=0Ω
R134 "CRCW12100000Z0EAHP" RESC3125X70X40NL20T20 6310,1710 r90 top value=0Ω
R135 "ERJ3EKF1002V" FP-MCR03-IPC_B 7050,1432 r0 top value=10kΩ
R136 "CRCW060320K0FKTA" FP-MCR03-IPC_B 7170,1432 r180 top value=20kΩ
R137 "RC0603FR-07100KL" FP-MCR03-IPC_B 7170,1363 r0 top value=100kΩ
R138 "ERJ3EKF1002V" FP-MCR03-IPC_B 7050,1295 r180 top value=10kΩ
R139 "ERJ3EKF1002V" FP-MCR03-IPC_B 7170,1227 r180 top value=10kΩ
R140 "RC0603JR-0720RL" FP-MCR03-IPC_B 7170,1159 r0 top value=20Ω
R141 "ERJ3EKF1002V" FP-MCR03-IPC_B 7170,1091 r180 top value=10kΩ
R142 "RC0603FR-075K49L" FP-MCR03-IPC_B 6155,1045 r0 top value=5.49kΩ
R143 "RC0603FR-07470KL" FP-MCR03-IPC_B 7320,1022 r0 top value=470kΩ
R144 "RT0603DRE0771K5L" FP-MCR03-IPC_B 6155,980 r180 top value=71.5kΩ
R145 "RT0603FRE0749K9L" FP-MCR03-IPC_B 6650,956 r180 top value=49.9kΩ
R146 "RC0603FR-07100KL" FP-MCR03-IPC_B 7170,954 r180 top value=100kΩ
R147 "RC0603FR-0724K9L" FP-MCR03-IPC_B 6650,888 r0 top value=24.9kΩ
R148 "CRCW060320K0FKTA" FP-MCR03-IPC_B 7170,886 r0 top value=20kΩ
R149 "RC0603FR-0761K9L" FP-MCR03-IPC_B 6155,844 r0 top value=61.9kΩ
R150 "RC0603FR-07100KL" FP-MCR03-IPC_B 6650,682 r0 top value=100kΩ
R151 "RT0603DRE072KL" FP-MCR03-IPC_B 6850,640 r0 top value=2kΩ
R152 "RC0603FR-07100KL" FP-MCR03-IPC_B 6650,614 r180 top value=100kΩ
R153 "CRCW060320K0FKTA" FP-MCR03-IPC_B 6850,570 r180 top value=20kΩ
R154 "RC0603FR-07100KL" FP-MCR03-IPC_B 6650,546 r180 top value=100kΩ
R155 "RC0603JR-072M7L" FP-MCR03-IPC_B 6650,410 r0 top value=2.7MΩ
R156 "RC0603JR-072M7L" FP-MCR03-IPC_B 6650,342 r180 top value=2.7MΩ
R157 "TNPW1206249KBEEA" RESC3216X65X50NL15T25 7660,7150 r270 bottom value=249kΩ
R158 "TNPW1206249KBEEA" RESC3216X65X50NL15T25 7300,7150 r270 bottom value=249kΩ
R159 "TNPW1206249KBEEA" RESC3216X65X50NL15T25 6940,7150 r270 bottom value=249kΩ
R160 "TNPW1206249KBEEA" RESC3216X65X50NL15T25 6580,7150 r270 bottom value=249kΩ
R161 "TNPW1206249KBEEA" RESC3216X65X50NL15T25 7660,6960 r270 bottom value=249kΩ
R162 "TNPW1206249KBEEA" RESC3216X65X50NL15T25 7300,6960 r270 bottom value=249kΩ
R163 "TNPW1206249KBEEA" RESC3216X65X50NL15T25 6940,6960 r270 bottom value=249kΩ
R164 "TNPW1206249KBEEA" RESC3216X65X50NL15T25 6580,6960 r270 bottom value=249kΩ
R165 "TNPW1206249KBEEA" RESC3216X65X50NL15T25 7660,6770 r270 bottom value=249kΩ
R166 "TNPW1206249KBEEA" RESC3216X65X50NL15T25 7300,6770 r270 bottom value=249kΩ
R167 "TNPW1206249KBEEA" RESC3216X65X50NL15T25 6940,6770 r270 bottom value=249kΩ
R168 "TNPW1206249KBEEA" RESC3216X65X50NL15T25 6580,6770 r270 bottom value=249kΩ
R169 "TNPW1206249KBEEA" RESC3216X65X50NL15T25 7660,6580 r270 bottom value=249kΩ
R170 "TNPW1206249KBEEA" RESC3216X65X50NL15T25 7300,6580 r270 bottom value=249kΩ
R171 "TNPW1206249KBEEA" RESC3216X65X50NL15T25 6940,6580 r270 bottom value=249kΩ
R172 "TNPW1206249KBEEA" RESC3216X65X50NL15T25 6580,6580 r270 bottom value=249kΩ
R173 "TNPW1206249KBEEA" RESC3216X65X50NL15T25 7660,6390 r270 bottom value=249kΩ
R174 "TNPW1206249KBEEA" RESC3216X65X50NL15T25 7300,6390 r270 bottom value=249kΩ
R175 "TNPW1206249KBEEA" RESC3216X65X50NL15T25 6940,6390 r270 bottom value=249kΩ
R176 "TNPW1206249KBEEA" RESC3216X65X50NL15T25 6580,6390 r270 bottom value=249kΩ
R177 "TNPW1206249KBEEA" RESC3216X65X50NL15T25 7660,6200 r270 bottom value=249kΩ
R178 "TNPW1206249KBEEA" RESC3216X65X50NL15T25 7300,6200 r270 bottom value=249kΩ
R179 "TNPW1206249KBEEA" RESC3216X65X50NL15T25 6940,6200 r270 bottom value=249kΩ
R180 "TNPW1206249KBEEA" RESC3216X65X50NL15T25 6580,6200 r270 bottom value=249kΩ
R181 "ERJ-PB3B1801V" FP-MCR03-IPC_B 7772,6040 r90 bottom value=1.8kΩ
R182 "RC0603FR-074K99L" FP-MCR03-IPC_B 7548,6040 r270 bottom value=4.99kΩ
R183 "CRCW06030000Z0EB" FP-MCR03-IPC_B 7480,6040 r90 bottom value=0Ω
R184 "ERJ-PB3B1801V" FP-MCR03-IPC_B 7412,6040 r90 bottom value=1.8kΩ
R185 "RC0603FR-074K99L" FP-MCR03-IPC_B 7188,6040 r270 bottom value=4.99kΩ
R186 "CRCW06030000Z0EB" FP-MCR03-IPC_B 7120,6040 r90 bottom value=0Ω
R187 "ERJ-PB3B1801V" FP-MCR03-IPC_B 7052,6040 r90 bottom value=1.8kΩ
R188 "RC0603FR-074K99L" FP-MCR03-IPC_B 6828,6040 r270 bottom value=4.99kΩ
R189 "CRCW06030000Z0EB" FP-MCR03-IPC_B 6760,6040 r90 bottom value=0Ω
R190 "ERJ-PB3B3741V" FP-MCR03-IPC_B 6692,6040 r270 bottom value=3.74kΩ
R191 "RC0603FR-074K99L" FP-MCR03-IPC_B 6468,6040 r270 bottom value=4.99kΩ
R192 "CRCW06030000Z0EB" FP-MCR03-IPC_B 7805,5258 r0 bottom value=0Ω
R193 "RC0603JR-07120RL" FP-MCR03-IPC_B 7805,5190 r180 bottom value=120Ω
R194 "RC0603JR-07120RL" FP-MCR03-IPC_B 7805,5122 r180 bottom value=120Ω
R195 "RC0603JR-07120RL" FP-MCR03-IPC_B 7805,5054 r0 bottom value=120Ω